# Altium PCB miniBackplane.PcbDoc (part 15 of 24) (continued)
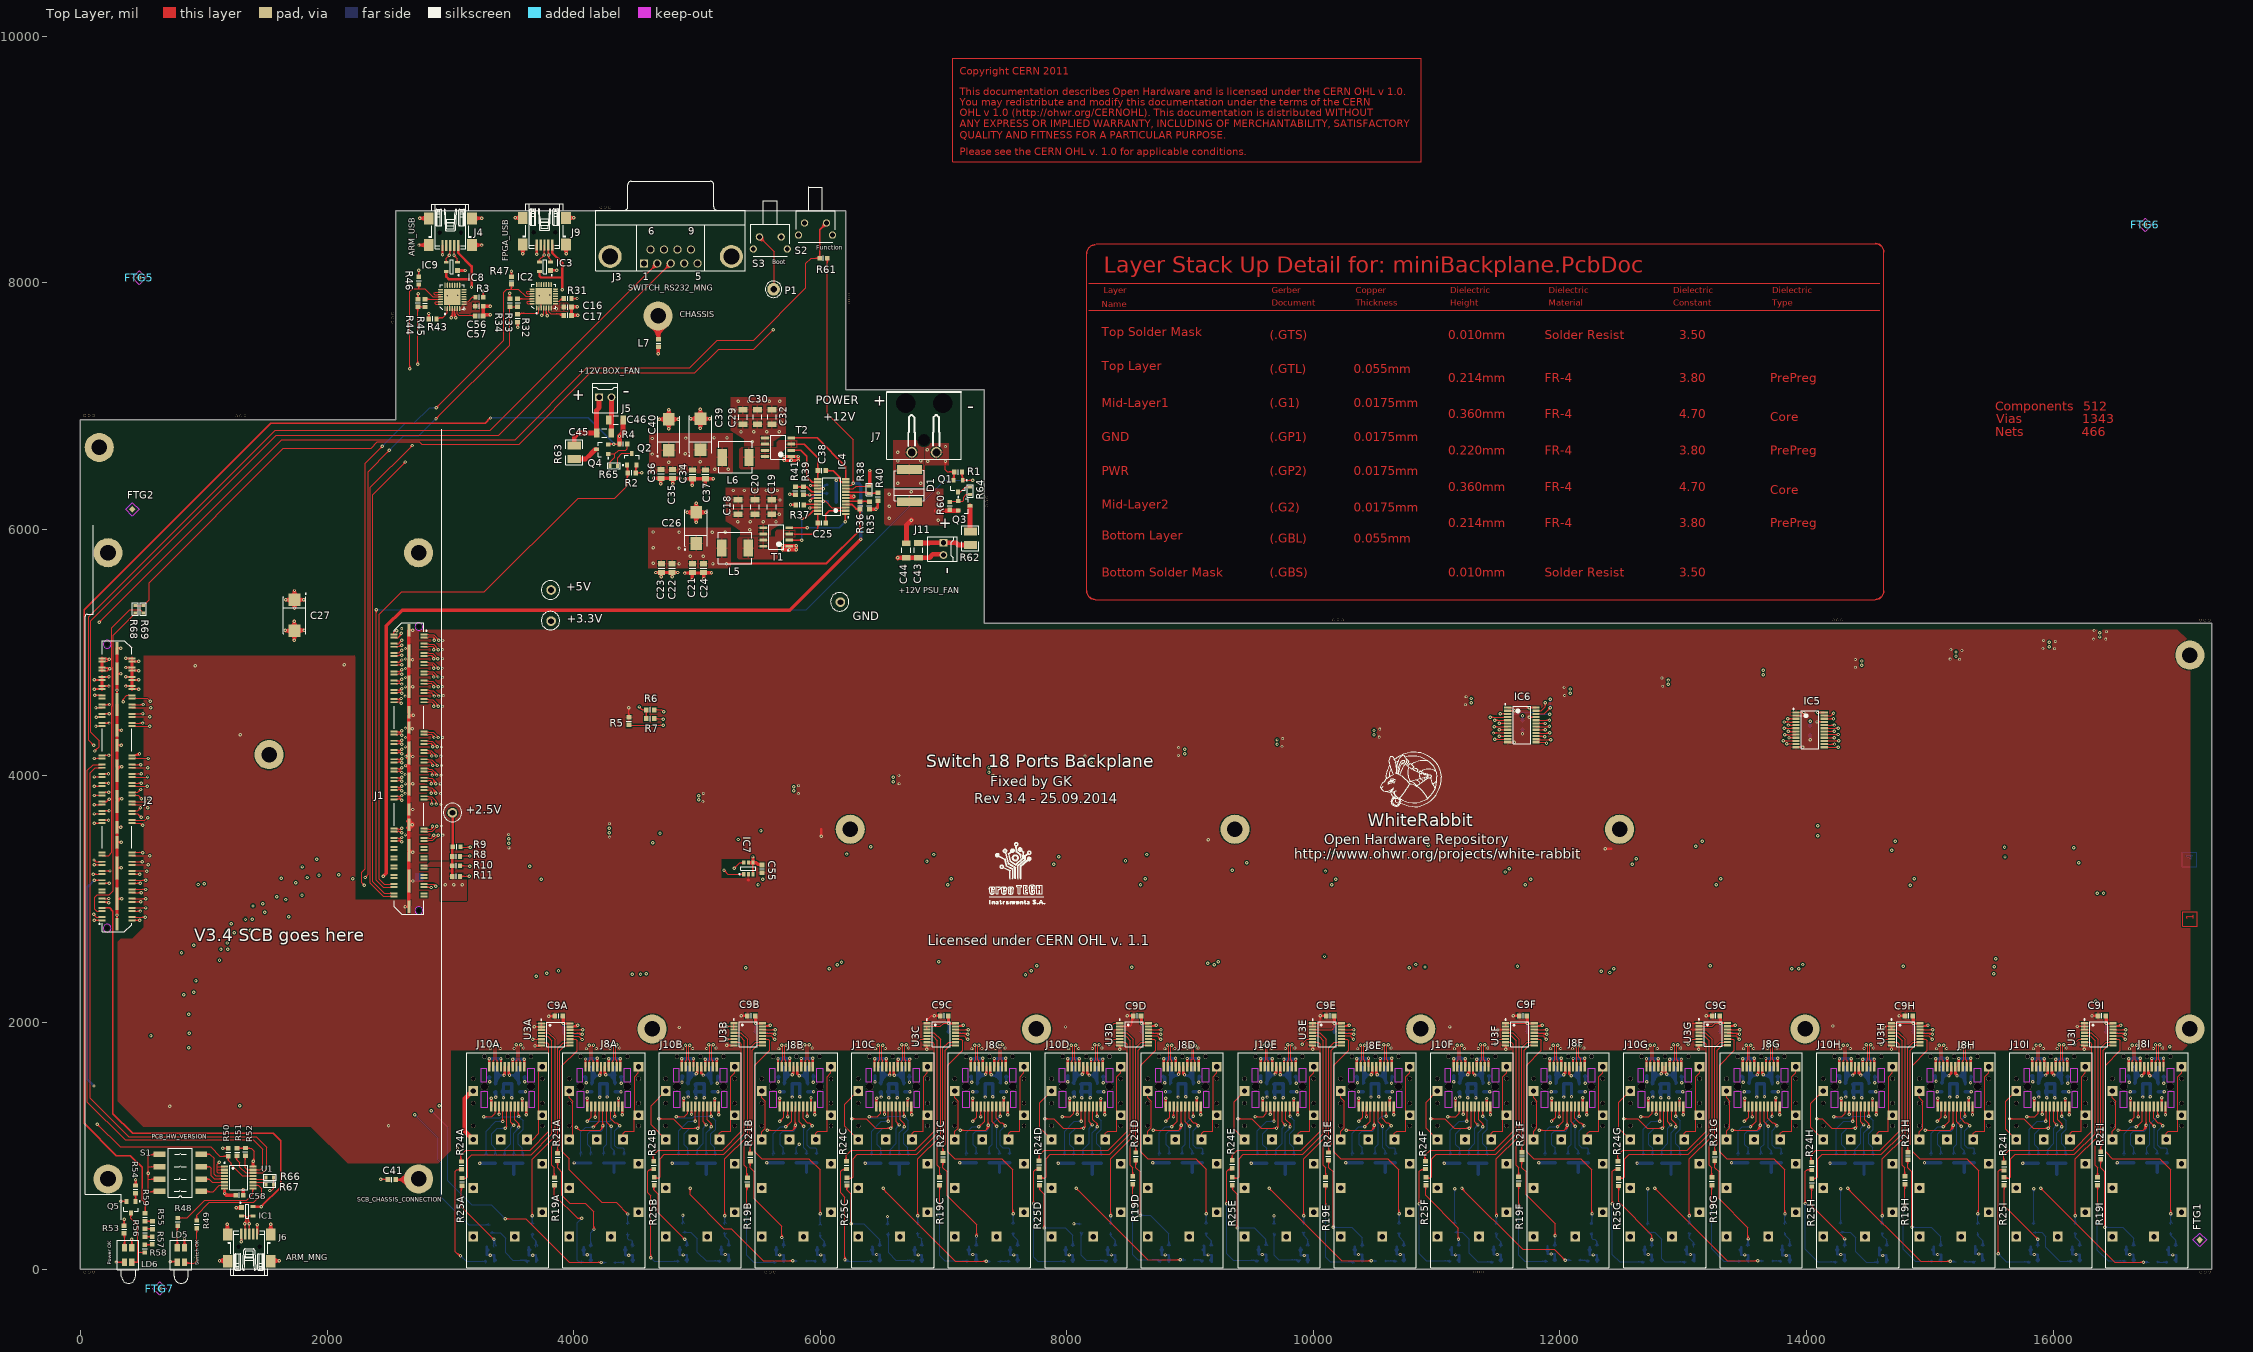
[diagram p0: Top Layer view]
## Nets (pads, with @x,y where several pads share a name; then routed paths per layer and width w, separated by ;. In a path a pad name is that pad's centre, name@x,y a point inside that pad or via, vN(x,y) a via of type N, cw(c..) or ccw(c..) an arc to the next point about the centre after c; other vN are vias at no path point) (continued)
MGTRX115_1_P: J1.53 J10C.13 | length 7305.5
  Top Layer w9.84: J1.53@2786.05,3984.99 2820.71,3984.99 2825.33,3980.37 2852,3980.37 2880.91,3951.46 ; 2867.91,3951.47 ccw(c2893.83,3958.41) v1@2880.41,3935.17 ; v1@2874.92,3942.56 ccw(c2868.61,3949.45) 2877.64,3951.87 ccw(c2888.84,3954.87) v1@2884.34,3944.19 ; v1(2880.91,3936.02) 2880.91,3951.46 ; v1(6661.42,1820.56) 6671.26,1810.72 ; J10C.13@6663.39,1669.3 6663.39,1690.56 6671.26,1698.43 6671.26,1810.72 ; 2880.91,3951.46 ccw(c2889.92,3951.46) 2885.37,3943.67 cw(c2889.92,3951.46) 2880.91,3951.46 ; 2880.91,3951.46 cw(c2871.89,3951.46) 2876.44,3943.67 ccw(c2871.89,3951.46) 2880.91,3951.46 ; 6671.26,1810.72 ccw(c6666.66,1806.12) 6664.44,1812.23 cw(c6666.66,1806.12) 6671.26,1810.72 ; 6671.26,1810.72 cw(c6675.86,1815.32) 6669.74,1817.54 ccw(c6675.86,1815.32) 6671.26,1810.72 ; 2854.87,3977.49 cw(c2813.4,3936.02) 2872.05,3936.02 ccw(c2813.4,3936.02) 2854.87,3977.49 ; 2871.67,3960.69 cw(c2847.01,3936.02) 2881.89,3936.02 ccw(c2847.01,3936.02) 2871.67,3960.69 ; J10C.13@6657.41,1674.23 ccw(c6642.97,1688.66) 6663.39,1688.66 cw(c6642.97,1688.66) J10C.13@6657.41,1674.23
  Mid-Layer 1 w7.09: v1(2880.91,3936.02) 2871.06,3945.87 2871.06,3957.07 ; 6564.31,3958.68 ccw(c6573.24,3974.04) v1@6585.47,3961.16 ; 6572.49,3953.93 ccw(c6580.02,3966.9) v1@6590.35,3956.02 ; 6573.34,3961.3 ccw(c6579.37,3971.74) v1@6586.48,3962.01 ; 6575.96,3959.79 cw(c6568.8,3947.38) v1@6582.63,3951.09 ; v1(6592.52,3953.74) 6582.68,3963.58 2877.57,3963.58 2871.06,3957.07 ; 2871.06,3957.07 ccw(c2881.9,3957.07) 2881.39,3946.25 cw(c2881.9,3957.07) 2871.06,3957.07 ; 2871.06,3949.64 ccw(c2881.55,3949.64) 2881.05,3939.17 cw(c2881.55,3949.64) 2871.06,3949.64 ; 6544.05,3963.58 cw(c6544.05,3905.27) 6585.28,3946.5 ccw(c6544.05,3905.27) 6544.05,3963.58 ; 6561.15,3963.58 cw(c6561.15,3922.37) 6590.29,3951.51 ccw(c6561.15,3922.37) 6561.15,3963.58 ; 6578.26,3963.58 cw(c6578.26,3939.48) 6595.3,3956.52 ccw(c6578.26,3939.48) 6578.26,3963.58
  Mid-Layer 2 w7.09: v1(6592.52,3953.74) 6599.41,3960.63 6660.43,3960.63 6671.26,3949.8 6671.26,1830.4 v1(6661.42,1820.56) ; v1@6595.1,3955.54 ccw(c6604.21,3961.88) 6609.76,3952.27 ; v1@6600.63,3959.99 ccw(c6604.64,3963.08) 6607.18,3958.69 ccw(c6611.86,3950.59) v1@6602.62,3952.09 ; v1@6600.92,3959.59 ccw(c6610.56,3966.31) 6616.44,3956.13 ; v1@6658.77,1830.45 ccw(c6655.06,1844.28) 6667.47,1837.12 ; 6661.61,1840.59 ccw(c6674.57,1833.05) v1@6663.7,1822.73 ; 6666.36,1848.77 ccw(c6681.72,1839.84) v1@6668.84,1827.61 ; 6668.98,1839.74 ccw(c6679.42,1833.71) v1@6669.68,1826.6 ; v1@6594.75,3951.51 cw(c6616.76,3929.5) 6616.76,3960.63 ccw(c6616.76,3929.5) v1@6594.75,3951.51 ; v1@6599.76,3946.5 cw(c6633.87,3912.39) 6633.87,3960.63 ccw(c6633.87,3912.39) v1@6599.76,3946.5 ; v1@6654.18,1827.8 ccw(c6612.94,1869.03) 6671.26,1869.03 cw(c6612.94,1869.03) v1@6654.18,1827.8 ; v1@6659.19,1822.79 ccw(c6630.05,1851.92) 6671.26,1851.92 cw(c6630.05,1851.92) v1@6659.19,1822.79 ; v1@6664.2,1817.78 ccw(c6647.16,1834.82) 6671.26,1834.82 cw(c6647.16,1834.82) v1@6664.2,1817.78
MGTRX115_2_N: J1.59 J8B.12 | length 6208.5
  Top Layer w9.84: J1.59@2786.05,3884.99 2822,3884.99 2826.63,3889.62 2842.52,3889.62 2845.47,3886.67 v1(2845.47,3858.27) ; J8B.12@5909.88,1669.29 5909.88,1690.55 5902.01,1698.43 5902.01,1810.71 ; v1(5911.85,1820.55) 5902.01,1810.71 ; 2845.47,3879.65 ccw(c2866.86,3879.65) 2851.74,3864.53 cw(c2866.86,3879.65) 2845.47,3879.65 ; 2845.47,3879.65 cw(c2824.09,3879.65) 2839.21,3864.53 ccw(c2824.09,3879.65) 2845.47,3879.65 ; 5902.01,1810.71 ccw(c5897.41,1815.31) 5903.52,1817.53 cw(c5897.41,1815.31) 5902.01,1810.71 ; 5902.01,1810.71 cw(c5906.61,1806.11) 5908.83,1812.22 ccw(c5906.61,1806.11) 5902.01,1810.71 ; 5909.88,1682.63 ccw(c5921.76,1682.63) 5913.36,1674.23 cw(c5921.76,1682.63) 5909.88,1682.63 ; 5909.88,1682.63 cw(c5898,1682.63) 5906.4,1674.23 ccw(c5898,1682.63) 5909.88,1682.63
  Mid-Layer 1 w7.09: v1(2845.47,3858.27) 2855.32,3868.11 2855.32,3885.84 ; 5758.21,3908.44 cw(c5767.13,3893.08) v1@5779.37,3905.96 ; 5766.39,3913.2 cw(c5773.92,3900.23) v1@5784.25,3911.1 ; 5767.24,3905.83 cw(c5773.27,3895.38) v1@5780.38,3905.12 ; 5769.86,3907.34 ccw(c5762.69,3919.74) v1@5776.53,3916.04 ; v1(5786.42,3913.39) 5776.57,3903.54 2873.02,3903.54 2855.32,3885.84 ; 2855.32,3885.84 cw(c2836.58,3885.84) 2842.33,3868.01 ccw(c2836.58,3885.84) 2855.32,3885.84 ; v1@2844.51,3861.27 ccw(c2839.72,3876.11) 2855.32,3876.11 cw(c2839.72,3876.11) v1@2844.51,3861.27 ; 5737.94,3903.54 ccw(c5737.94,3961.86) 5779.18,3920.62 cw(c5737.94,3961.86) 5737.94,3903.54 ; 5755.05,3903.54 ccw(c5755.05,3944.75) 5784.19,3915.61 cw(c5755.05,3944.75) 5755.05,3903.54 ; 5772.16,3903.54 ccw(c5772.16,3927.64) 5789.2,3910.6 cw(c5772.16,3927.64) 5772.16,3903.54
  Mid-Layer 2 w7.09: v1(5786.42,3913.39) 5796.26,3903.54 5797.02,3903.54 5800.95,3899.61 ; v1@5903.58,1826.59 ccw(c5893.85,1833.7) 5904.29,1839.73 ; v1@5904.43,1827.6 ccw(c5891.55,1839.84) 5906.91,1848.76 ; 5905.8,1837.11 ccw(c5918.21,1844.28) v1@5914.5,1830.44 ; v1@5909.57,1822.72 ccw(c5898.69,1833.05) 5911.66,1840.58 ; v1(5911.85,1820.55) 5902.01,1830.39 5902.01,3869.28 5871.68,3899.61 5800.95,3899.61 ; 5800.95,3899.61 ccw(c5791.23,3889.88) 5788.47,3903.36 cw(c5791.23,3889.88) 5800.95,3899.61 ; 5800.95,3899.61 cw(c5811.76,3910.41) 5796.58,3912.19 ccw(c5811.76,3910.41) 5800.95,3899.61 ; 5902.01,1834.81 ccw(c5926.11,1834.81) 5909.07,1817.77 cw(c5926.11,1834.81) 5902.01,1834.81 ; 5902.01,1851.92 ccw(c5943.22,1851.92) 5914.08,1822.78 cw(c5943.22,1851.92) 5902.01,1851.92 ; 5902.01,1869.03 ccw(c5960.32,1869.03) 5919.09,1827.79 cw(c5960.32,1869.03) 5902.01,1869.03
MGTRX115_2_P: J1.57 J8B.13 | length 6413.2
  Top Layer w9.84: J1.57@2786.05,3909.99 2822.53,3909.99 2827.15,3905.37 2849.04,3905.37 2880.91,3873.5 ; 2867.91,3873.71 ccw(c2893.83,3880.66) v1@2880.41,3857.42 ; v1@2875.01,3864.88 ccw(c2869.07,3871.56) 2877.71,3873.88 ccw(c2888.42,3876.75) v1@2884.24,3866.47 ; v1(2880.91,3858.27) 2880.91,3873.5 ; v1(5876.42,1820.55) 5886.26,1810.71 ; J8B.13@5878.39,1669.29 5878.39,1690.55 5886.26,1698.43 5886.26,1810.71 ; 2880.91,3873.5 ccw(c2889.58,3873.5) 2885.29,3865.97 cw(c2889.58,3873.5) 2880.91,3873.5 ; 2880.91,3873.5 cw(c2872.23,3873.5) 2876.52,3865.97 ccw(c2872.23,3873.5) 2880.91,3873.5 ; 5878.39,1682.63 ccw(c5890.27,1682.63) 5881.87,1674.23 cw(c5890.27,1682.63) 5878.39,1682.63 ; 5878.39,1682.63 cw(c5866.5,1682.63) 5874.91,1674.23 ccw(c5866.5,1682.63) 5878.39,1682.63 ; 5886.26,1810.71 ccw(c5881.66,1806.11) 5879.44,1812.22 cw(c5881.66,1806.11) 5886.26,1810.71 ; 5886.26,1810.71 cw(c5890.86,1815.31) 5884.74,1817.53 ccw(c5890.86,1815.31) 5886.26,1810.71 ; 2855.01,3899.4 cw(c2813.88,3858.27) 2872.05,3858.27 ccw(c2813.88,3858.27) 2855.01,3899.4 ; 2871.81,3882.6 cw(c2847.48,3858.27) 2881.89,3858.27 ccw(c2847.48,3858.27) 2871.81,3882.6
  Mid-Layer 1 w7.09: v1(2880.91,3858.27) 2871.06,3868.11 2871.06,3879.32 ; 5758.21,3882.89 ccw(c5767.13,3898.26) v1@5779.37,3885.37 ; 5766.39,3878.14 ccw(c5773.92,3891.11) v1@5784.25,3880.24 ; 5767.24,3885.51 ccw(c5773.27,3895.95) v1@5780.38,3886.22 ; 5769.86,3884 cw(c5762.69,3871.6) v1@5776.53,3875.3 ; v1(5786.42,3877.95) 5776.57,3887.8 2879.54,3887.8 2871.06,3879.32 ; 2871.06,3879.32 ccw(c2881.9,3879.32) 2881.39,3868.49 cw(c2881.9,3879.32) 2871.06,3879.32 ; 2871.06,3871.89 ccw(c2881.55,3871.89) 2881.05,3861.41 cw(c2881.55,3871.89) 2871.06,3871.89 ; 5737.94,3887.8 cw(c5737.94,3829.48) 5779.18,3870.71 ccw(c5737.94,3829.48) 5737.94,3887.8 ; 5755.05,3887.8 cw(c5755.05,3846.59) 5784.19,3875.73 ccw(c5755.05,3846.59) 5755.05,3887.8 ; 5772.16,3887.8 cw(c5772.16,3863.7) 5789.2,3880.74 ccw(c5772.16,3863.7) 5772.16,3887.8
  Mid-Layer 2 w7.09: v1(5786.42,3877.95) 5793.31,3884.84 5793.45,3884.84 5794.43,3883.86 5865.16,3883.86 5886.26,3862.76 5886.26,1830.39 v1(5876.42,1820.55) ; v1@5789.14,3879.53 ccw(c5797.72,3884.51) 5802.68,3875.92 ; v1@5795.27,3883.09 ccw(c5803.86,3888.08) 5808.83,3879.47 ; v1@5873.77,1830.44 ccw(c5870.06,1844.28) 5882.47,1837.11 ; 5876.61,1840.58 ccw(c5889.57,1833.05) v1@5878.7,1822.72 ; 5881.36,1848.76 ccw(c5896.72,1839.84) v1@5883.84,1827.6 ; 5883.98,1839.73 ccw(c5894.42,1833.7) v1@5884.68,1826.59 ; v1@5788.64,3875.73 cw(c5808.28,3856.09) 5808.28,3883.86 ccw(c5808.28,3856.09) v1@5788.64,3875.73 ; v1@5793.66,3870.71 cw(c5825.39,3838.98) 5825.39,3883.86 ccw(c5825.39,3838.98) v1@5793.66,3870.71 ; v1@5869.18,1827.79 ccw(c5827.94,1869.03) 5886.26,1869.03 cw(c5827.94,1869.03) v1@5869.18,1827.79 ; v1@5874.19,1822.78 ccw(c5845.05,1851.92) 5886.26,1851.92 cw(c5845.05,1851.92) v1@5874.19,1822.78 ; v1@5879.2,1817.77 ccw(c5862.16,1834.81) 5886.26,1834.81 cw(c5862.16,1834.81) v1@5879.2,1817.77
MGTRX115_3_N: J1.63 J10B.12 | length 5543.9
  Top Layer w9.84: J1.63@2786.05,3809.99 2820.71,3809.99 2825.33,3814.62 2842.52,3814.62 2850.39,3806.74 v1(2850.39,3771.65) ; J10B.12@5129.88,1673.23 5129.88,1690.55 5122.01,1698.43 5122.01,1810.71 ; v1(5131.85,1820.55) 5122.01,1810.71 ; 2850.39,3793.04 ccw(c2871.78,3793.04) 2856.66,3777.92 cw(c2871.78,3793.04) 2850.39,3793.04 ; 2850.39,3793.04 cw(c2829.01,3793.04) 2844.13,3777.92 ccw(c2829.01,3793.04) 2850.39,3793.04 ; 5122.01,1810.71 ccw(c5117.41,1815.31) 5123.52,1817.53 cw(c5117.41,1815.31) 5122.01,1810.71 ; 5122.01,1810.71 cw(c5126.61,1806.11) 5128.83,1812.22 ccw(c5126.61,1806.11) 5122.01,1810.71 ; 5129.88,1682.63 ccw(c5141.76,1682.63) 5133.36,1674.23 cw(c5141.76,1682.63) 5129.88,1682.63 ; 5129.88,1682.63 cw(c5118,1682.63) 5126.4,1674.23 ccw(c5118,1682.63) 5129.88,1682.63
  Mid-Layer 1 w7.09: v1(2850.39,3771.65) 2860.24,3781.5 2860.24,3807.7 ; 4986.56,3835.61 cw(c4995.48,3820.25) v1@5007.71,3833.13 ; 4994.74,3840.36 cw(c5002.27,3827.39) v1@5012.59,3838.27 ; 4995.59,3832.99 cw(c5001.61,3822.55) v1@5008.73,3832.29 ; 4998.2,3834.5 ccw(c4991.04,3846.91) v1@5004.88,3843.2 ; v1(5014.76,3840.55) 5014.76,3839.57 5005.91,3830.71 2883.24,3830.71 2860.24,3807.7 ; 2860.24,3807.7 cw(c2828.07,3807.7) 2845,3780.36 ccw(c2828.07,3807.7) 2860.24,3807.7 ; v1@2848.74,3774.33 ccw(c2835.95,3794.98) 2860.24,3794.98 cw(c2835.95,3794.98) v1@2848.74,3774.33 ; v1@2852.47,3768.31 ccw(c2843.83,3782.26) 2860.24,3782.26 cw(c2843.83,3782.26) v1@2852.47,3768.31 ; 4966.29,3830.71 ccw(c4966.29,3889.03) 5007.53,3847.79 cw(c4966.29,3889.03) 4966.29,3830.71 ; 4983.4,3830.71 ccw(c4983.4,3871.92) 5012.54,3842.78 cw(c4983.4,3871.92) 4983.4,3830.71 ; 5000.51,3830.71 ccw(c5000.51,3854.81) 5017.55,3837.77 cw(c5000.51,3854.81) 5000.51,3830.71
  Mid-Layer 2 w7.09: v1@5011.81,3833.66 5069.34,3833.66 5122.01,3780.99 5122.01,1831.71 5122.4,1831.31 5122.4,1830 v1(5131.85,1820.55) ; v1@5017.35,3838.75 cw(c5026.45,3832.41) 5032,3842.02 ; v1@5022.87,3834.3 cw(c5026.89,3831.21) 5029.42,3835.6 cw(c5034.1,3843.7) v1@5024.87,3842.2 ; v1@5023.16,3834.7 cw(c5032.81,3827.98) 5038.68,3838.16 ; v1@5123.58,1826.59 ccw(c5113.85,1833.7) 5124.29,1839.73 ; v1@5124.43,1827.6 ccw(c5111.55,1839.84) 5126.91,1848.76 ; 5125.8,1837.11 ccw(c5138.21,1844.28) v1@5134.5,1830.44 ; v1@5129.57,1822.72 ccw(c5118.69,1833.05) 5131.66,1840.58 ; v1@5016.99,3842.78 ccw(c5039,3864.79) 5039,3833.66 cw(c5039,3864.79) v1@5016.99,3842.78 ; v1@5022,3847.79 ccw(c5056.11,3881.9) 5056.11,3833.66 cw(c5056.11,3881.9) v1@5022,3847.79 ; 5122.01,1834.81 ccw(c5146.11,1834.81) 5129.07,1817.77 cw(c5146.11,1834.81) 5122.01,1834.81 ; 5122.01,1851.92 ccw(c5163.22,1851.92) 5134.08,1822.78 cw(c5163.22,1851.92) 5122.01,1851.92 ; 5122.01,1869.03 ccw(c5180.32,1869.03) 5139.09,1827.79 cw(c5180.32,1869.03) 5122.01,1869.03
MGTRX115_3_P: J1.61 J10B.13 | length 5348.7
  Top Layer w9.84: J1.61@2786.05,3834.99 2820.71,3834.99 2825.33,3830.37 2849.04,3830.37 2885.83,3793.58 v1(2885.83,3771.65) ; v1(5096.42,1820.55) 5106.26,1810.71 ; J10B.13@5098.39,1673.23 5098.39,1690.55 5106.26,1698.43 5106.26,1810.71 ; 2885.83,3793.04 ccw(c2907.21,3793.04) 2892.09,3777.92 cw(c2907.21,3793.04) 2885.83,3793.04 ; 2885.83,3793.04 cw(c2864.44,3793.04) 2879.56,3777.92 ccw(c2864.44,3793.04) 2885.83,3793.04 ; 5098.39,1682.63 ccw(c5110.27,1682.63) 5101.87,1674.23 cw(c5110.27,1682.63) 5098.39,1682.63 ; 5098.39,1682.63 cw(c5086.5,1682.63) 5094.91,1674.23 ccw(c5086.5,1682.63) 5098.39,1682.63 ; 5106.26,1810.71 ccw(c5101.66,1806.11) 5099.44,1812.22 cw(c5101.66,1806.11) 5106.26,1810.71 ; 5106.26,1810.71 cw(c5110.86,1815.31) 5104.74,1817.53 ccw(c5110.86,1815.31) 5106.26,1810.71
  Mid-Layer 1 w7.09: v1(2885.83,3771.65) 2875.98,3781.5 2875.98,3801.18 ; 4986.56,3810.06 ccw(c4995.48,3825.42) v1@5007.71,3812.54 ; 4994.74,3805.31 ccw(c5002.27,3818.27) v1@5012.59,3807.4 ; 4995.59,3812.68 ccw(c5001.61,3823.12) v1@5008.73,3813.38 ; 4998.2,3811.17 cw(c4991.04,3798.76) v1@5004.88,3802.47 ; v1(5014.76,3805.12) 5014.76,3806.1 5005.91,3814.96 2889.76,3814.96 2875.98,3801.18 ; 2875.98,3801.18 ccw(c2897.5,3801.18) 2889.59,3781.17 cw(c2897.5,3801.18) 2875.98,3801.18 ; 2875.98,3790.76 ccw(c2893.38,3790.76) 2886.98,3774.58 cw(c2893.38,3790.76) 2875.98,3790.76 ; 4966.29,3814.96 cw(c4966.29,3756.64) 5007.53,3797.88 ccw(c4966.29,3756.64) 4966.29,3814.96 ; 4983.4,3814.96 cw(c4983.4,3773.75) 5012.54,3802.89 ccw(c4983.4,3773.75) 4983.4,3814.96 ; 5000.51,3814.96 cw(c5000.51,3790.86) 5017.55,3807.9 ccw(c5000.51,3790.86) 5000.51,3814.96
  Mid-Layer 2 w7.09: v1(5014.76,3805.12) 5024.21,3814.57 5025.53,3814.57 5028.87,3817.91 ; v1@5093.77,1830.44 ccw(c5090.06,1844.28) 5102.47,1837.11 ; v1(5096.42,1820.55) 5106.26,1830.39 5106.26,3774.47 5062.82,3817.91 5028.87,3817.91 ; 5096.61,1840.58 ccw(c5109.57,1833.05) v1@5098.7,1822.72 ; 5101.36,1848.76 ccw(c5116.72,1839.84) v1@5103.84,1827.6 ; 5103.98,1839.73 ccw(c5114.42,1833.7) v1@5104.68,1826.59 ; 5028.87,3817.91 ccw(c5038.67,3808.11) 5024.92,3806.39 cw(c5038.67,3808.11) 5028.87,3817.91 ; 5028.87,3817.91 cw(c5020.7,3826.08) 5017.55,3814.97 ccw(c5020.7,3826.08) 5028.87,3817.91 ; v1@5089.18,1827.79 ccw(c5047.94,1869.03) 5106.26,1869.03 cw(c5047.94,1869.03) v1@5089.18,1827.79 ; v1@5094.19,1822.78 ccw(c5065.05,1851.92) 5106.26,1851.92 cw(c5065.05,1851.92) v1@5094.19,1822.78 ; v1@5099.2,1817.77 ccw(c5082.16,1834.81) 5106.26,1834.81 cw(c5082.16,1834.81) v1@5099.2,1817.77
MGTRX116_0_N: J1.67 J8A.12 | length 4432.3
  Top Layer w9.84: J1.67@2786.05,3547.49 2820.71,3547.49 2825.33,3552.12 2853.96,3552.12 2890.75,3588.9 v1(2890.75,3592.52) ; 2878.8,3581 cw(c2896.31,3576.31) v1@2890.43,3593.45 ; J8A.12@4348.43,1667.64 4348.43,1688.9 4340.55,1696.77 4340.55,1809.06 ; v1(4350.39,1818.9) 4340.55,1809.06 ; 4340.55,1809.06 ccw(c4335.95,1813.66) 4342.07,1815.88 cw(c4335.95,1813.66) 4340.55,1809.06 ; 4340.55,1809.06 cw(c4345.15,1804.45) 4347.37,1810.57 ccw(c4345.15,1804.45) 4340.55,1809.06 ; 4348.43,1682.63 ccw(c4360.31,1682.63) 4351.9,1674.23 cw(c4360.31,1682.63) 4348.43,1682.63 ; 4348.43,1682.63 cw(c4336.54,1682.63) 4344.95,1674.23 ccw(c4336.54,1682.63) 4348.43,1682.63 ; 2873.07,3571.22 ccw(c2851.77,3592.52) 2881.89,3592.52 cw(c2851.77,3592.52) 2873.07,3571.22 ; 2881.8,3579.96 cw(c2890.75,3571.01) 2890.75,3583.66 ccw(c2890.75,3571.01) 2881.8,3579.96
  Mid-Layer 1 w7.09: v1(2890.75,3592.52) 2890.75,3593.28 2880.91,3593.28 2880.91,3570.87 2886.02,3565.75 4280.51,3565.75 v1(4290.35,3575.59) ; 4262.15,3570.65 cw(c4271.07,3555.29) v1@4283.31,3568.17 ; 4270.33,3575.4 cw(c4277.86,3562.43) v1@4288.19,3573.31 ; 4271.18,3568.03 cw(c4277.2,3557.59) v1@4284.32,3567.33 ; 4273.79,3569.54 ccw(c4266.63,3581.95) v1@4280.47,3578.24 ; 2880.91,3568.73 cw(c2894.8,3568.73) 2892.47,3582.43 ccw(c2894.8,3568.73) 2880.91,3568.73 ; 2880.91,3577.13 cw(c2893.37,3577.13) 2891.28,3589.41 ccw(c2893.37,3577.13) 2880.91,3577.13 ; 4241.88,3565.75 ccw(c4241.88,3624.07) 4283.12,3582.83 cw(c4241.88,3624.07) 4241.88,3565.75 ; 4258.99,3565.75 ccw(c4258.99,3606.96) 4288.13,3577.82 cw(c4258.99,3606.96) 4258.99,3565.75 ; 4276.1,3565.75 ccw(c4276.1,3589.85) 4293.14,3572.81 cw(c4276.1,3589.85) 4276.1,3565.75
  Mid-Layer 2 w7.09: v1(4290.35,3575.59) 4289.6,3575.59 4289.6,3565.75 4326.4,3565.75 ; 4340.55,1828.74 v1(4350.39,1818.9) ; 4340.54,1830.39 4340.54,3551.62 4326.4,3565.75 ; v1@4342.12,1824.93 ccw(c4332.34,1832.05) 4342.82,1838.1 ; v1@4342.97,1825.94 ccw(c4330.08,1838.18) 4345.44,1847.11 ; 4344.34,1835.46 ccw(c4356.75,1842.62) v1@4353.04,1828.79 ; v1@4348.11,1821.07 ccw(c4337.23,1831.39) 4350.2,1838.93 ; 4326.4,3565.75 cw(c4326.4,3597.91) 4299.06,3580.98 ccw(c4326.4,3597.91) 4326.4,3565.75 ; v1@4287.01,3573.52 ccw(c4300.96,3582.16) 4300.96,3565.75 cw(c4300.96,3582.16) v1@4287.01,3573.52 ; v1@4293.03,3577.25 ccw(c4313.68,3590.03) 4313.68,3565.75 cw(c4313.68,3590.03) v1@4293.03,3577.25 ; 4340.54,1833.19 ccw(c4364.69,1833.19) 4347.61,1816.11 cw(c4364.69,1833.19) 4340.54,1833.19 ; 4340.54,1850.3 ccw(c4381.8,1850.3) 4352.62,1821.12 cw(c4381.8,1850.3) 4340.54,1850.3 ; 4340.54,1867.41 ccw(c4398.91,1867.41) 4357.63,1826.14 cw(c4398.91,1867.41) 4340.54,1867.41
MGTRX116_0_P: J1.65 J8A.13 | length 4399.3
  Top Layer w9.84: J1.65@2786.05,3572.49 2820.71,3572.49 2825.33,3567.87 2847.44,3567.87 ; v1(2855.32,3592.52) 2855.32,3575.74 ; v1(4314.96,1818.9) 4324.8,1809.06 ; J8A.13@4316.93,1667.64 4316.93,1688.9 4324.8,1696.77 4324.8,1809.06 ; 2847.44,3567.87 ccw(c2837.35,3577.95) 2848.43,3586.94 cw(c2837.35,3577.95) 2847.44,3567.87 ; 2847.44,3567.87 2855.32,3575.74 ; 2855.32,3575.74 ccw(c2843.85,3575.74) 2850.32,3585.21 cw(c2843.85,3575.74) 2855.32,3575.74 ; 2855.32,3575.74 cw(c2866.78,3575.74) 2860.31,3585.21 ccw(c2866.78,3575.74) 2855.32,3575.74 ; 4316.93,1682.63 ccw(c4328.81,1682.63) 4320.41,1674.23 cw(c4328.81,1682.63) 4316.93,1682.63 ; 4316.93,1682.63 cw(c4305.05,1682.63) 4313.45,1674.23 ccw(c4305.05,1682.63) 4316.93,1682.63 ; 4324.8,1809.06 ccw(c4320.2,1804.45) 4317.98,1810.57 cw(c4320.2,1804.45) 4324.8,1809.06 ; 4324.8,1809.06 cw(c4329.4,1813.66) 4323.29,1815.88 ccw(c4329.4,1813.66) 4324.8,1809.06 ; 2855.17,3575.59 ccw(c2845.88,3584.87) 2856.08,3593.14 cw(c2845.88,3584.87) 2855.17,3575.59
  Mid-Layer 1 w7.09: v1(2855.32,3592.52) 2865.16,3592.52 2865.16,3564.34 2879.5,3550 4280.51,3550 v1(4290.35,3540.16) ; 4262.15,3545.1 ccw(c4271.07,3560.46) v1@4283.31,3547.58 ; 4270.33,3540.35 ccw(c4277.86,3553.31) v1@4288.19,3542.44 ; 4271.18,3547.72 ccw(c4277.2,3558.16) v1@4284.32,3548.42 ; 4273.79,3546.21 cw(c4266.63,3533.8) v1@4280.47,3537.51 ; v1@2851.46,3583.04 cw(c2843.17,3562.67) 2865.16,3562.67 ccw(c2843.17,3562.67) v1@2851.46,3583.04 ; v1@2854.13,3589.6 cw(c2847.46,3573.21) 2865.16,3573.21 ccw(c2847.46,3573.21) v1@2854.13,3589.6 ; 4241.88,3550 cw(c4241.88,3491.68) 4283.12,3532.92 ccw(c4241.88,3491.68) 4241.88,3550 ; 4258.99,3550 cw(c4258.99,3508.79) 4288.13,3537.93 ccw(c4258.99,3508.79) 4258.99,3550 ; 4276.1,3550 cw(c4276.1,3525.9) 4293.14,3542.94 ccw(c4276.1,3525.9) 4276.1,3550
  Mid-Layer 2 w7.09: v1(4290.35,3540.16) 4290.35,3550 4319.88,3550 ; v1@4312.31,1828.79 ccw(c4308.6,1842.62) 4321.01,1835.46 ; v1(4314.96,1818.9) 4324.8,1828.74 ; 4315.14,1838.92 ccw(c4328.11,1831.4) v1@4317.24,1821.07 ; 4319.89,1847.1 ccw(c4335.25,1838.19) v1@4322.38,1825.95 ; 4322.51,1838.05 ccw(c4332.91,1832.05) v1@4323.22,1824.95 ; 4324.79,1830.39 4324.79,3545.09 4319.88,3550 ; 4319.88,3550 ccw(c4319.88,3528.49) 4299.87,3536.39 cw(c4319.88,3528.49) 4319.88,3550 ; v1@4293.28,3539 cw(c4309.46,3532.61) 4309.46,3550 ccw(c4309.46,3532.61) v1@4293.28,3539 ; v1@4307.72,1826.14 ccw(c4266.52,1867.33) 4324.79,1867.33 cw(c4266.52,1867.33) v1@4307.72,1826.14 ; v1@4312.73,1821.12 ccw(c4283.63,1850.23) 4324.79,1850.23 cw(c4283.63,1850.23) v1@4312.73,1821.12 ; v1@4317.74,1816.11 ccw(c4300.74,1833.12) 4324.79,1833.12 cw(c4300.74,1833.12) v1@4317.74,1816.11
MGTRX116_1_N: J1.71 J10A.12 | length 3560
  Top Layer w9.84: J1.71@2786.05,3472.49 2820.71,3472.49 2825.33,3477.12 2858.78,3477.12 2899.61,3517.94 v1@2899.61,3518.7 ; 2891.94,3507.13 ccw(c2887.62,3523.24) v1@2903.65,3518.6 ; J10A.12@3568.43,1667.64 3568.43,1688.9 3560.55,1696.77 3560.55,1809.06 ; v1(3570.39,1818.9) 3560.55,1809.06 ; 3560.55,1809.06 ccw(c3555.95,1813.66) 3562.07,1815.88 cw(c3555.95,1813.66) 3560.55,1809.06 ; 3560.55,1809.06 cw(c3565.15,1804.45) 3567.37,1810.57 ccw(c3565.15,1804.45) 3560.55,1809.06 ; 3568.43,1682.63 ccw(c3580.31,1682.63) 3571.9,1674.23 cw(c3580.31,1682.63) 3568.43,1682.63 ; 3568.43,1682.63 cw(c3556.54,1682.63) 3564.95,1674.23 ccw(c3556.54,1682.63) 3568.43,1682.63 ; 2883.88,3502.22 cw(c2902.7,3483.4) 2902.7,3510.01 ccw(c2902.7,3483.4) 2883.88,3502.22 ; 2889.11,3507.45 ccw(c2877.68,3518.87) 2893.84,3518.87 cw(c2877.68,3518.87) 2889.11,3507.45
  Mid-Layer 1 w7.09: v1@2902.7,3520.87 v1(2902.7,3518.87) 2891.31,3507.48 2891.31,3485.24 2897.22,3479.33 3462.91,3479.33 v1(3472.75,3489.17) ; 3444.54,3484.23 cw(c3453.47,3468.87) v1@3465.7,3481.75 ; 3452.72,3488.98 cw(c3460.25,3476.02) v1@3470.58,3486.89 ; 3453.57,3481.61 cw(c3459.6,3471.17) v1@3466.71,3480.91 ; 3456.19,3483.12 ccw(c3449.03,3495.53) v1@3462.86,3491.82 ; 2891.31,3483.36 cw(c2921.04,3483.36) 2907.4,3509.78 ccw(c2921.04,3483.36) 2891.31,3483.36 ; 2891.31,3495 cw(c2915.03,3495) 2904.15,3516.07 ccw(c2915.03,3495) 2891.31,3495 ; 2891.31,3506.63 cw(c2909.02,3506.63) 2900.89,3522.37 ccw(c2909.02,3506.63) 2891.31,3506.63 ; 3424.28,3479.33 ccw(c3424.28,3537.65) 3465.51,3496.41 cw(c3424.28,3537.65) 3424.28,3479.33 ; 3441.38,3479.33 ccw(c3441.38,3520.54) 3470.52,3491.4 cw(c3441.38,3520.54) 3441.38,3479.33 ; 3458.49,3479.33 ccw(c3458.49,3503.43) 3475.53,3486.39 cw(c3458.49,3503.43) 3458.49,3479.33
  Mid-Layer 2 w7.09: v1(3472.75,3489.17) 3482.59,3479.33 3500.98,3479.33 3560.55,3419.76 3560.55,1828.74 v1(3570.39,1818.9) ; v1@3562.13,1824.94 ccw(c3552.39,1832.05) 3562.83,1838.08 ; v1@3562.97,1825.95 ccw(c3550.09,1838.18) 3565.45,1847.11 ; 3564.34,1835.46 ccw(c3576.75,1842.62) v1@3573.04,1828.79 ; v1@3568.11,1821.07 ccw(c3557.24,1831.39) 3570.2,1838.92 ; v1@3475.73,3490.21 ccw(c3491.02,3495.52) 3491.02,3479.33 cw(c3491.02,3495.52) v1@3475.73,3490.21 ; v1@3482.42,3492.53 ccw(c3500.98,3498.98) 3500.98,3479.33 cw(c3500.98,3498.98) v1@3482.42,3492.53 ; 3560.55,1833.15 ccw(c3584.65,1833.15) 3567.61,1816.11 cw(c3584.65,1833.15) 3560.55,1833.15 ; 3560.55,1850.26 ccw(c3601.76,1850.26) 3572.62,1821.12 cw(c3601.76,1850.26) 3560.55,1850.26 ; 3560.55,1867.37 ccw(c3618.87,1867.37) 3577.63,1826.14 cw(c3618.87,1867.37) 3560.55,1867.37
MGTRX116_1_P: J1.69 J10A.13 | length 3575.3
  Top Layer w9.84: J1.69@2786.05,3497.49 2820.71,3497.49 2825.33,3492.87 2847.44,3492.87 ; 2853.72,3501.44 cw(c2880.4,3498.57) v1@2863.56,3519.47 ; v1(2864.17,3518.7) 2864.17,3509.6 2847.44,3492.87 ; v1(3534.96,1818.9) 3544.8,1809.06 ; J10A.13@3536.93,1667.64 3536.93,1688.9 3544.8,1696.77 3544.8,1809.06 ; 2847.44,3492.87 ccw(c2827.36,3512.95) 2855.42,3517.33 cw(c2827.36,3512.95) 2847.44,3492.87 ; 3536.93,1682.63 ccw(c3548.81,1682.63) 3540.41,1674.23 cw(c3548.81,1682.63) 3536.93,1682.63 ; 3536.93,1682.63 cw(c3525.05,1682.63) 3533.45,1674.23 ccw(c3525.05,1682.63) 3536.93,1682.63 ; 3544.8,1809.06 ccw(c3540.2,1804.45) 3537.98,1810.57 cw(c3540.2,1804.45) 3544.8,1809.06 ; 3544.8,1809.06 cw(c3549.4,1813.66) 3543.29,1815.88 ccw(c3549.4,1813.66) 3544.8,1809.06
  Mid-Layer 1 w7.09: v1@2863.74,3508.47 cw(c2863.23,3496.62) 2872.32,3504.24 cw(c2877.25,3508.37) v1@2872.2,3512.35 ; v1@2864.17,3516.7 v1(2864.17,3518.7) ; 2865.7,3501.49 cw(c2874.19,3508.6) v1@2866.39,3516.46 ; 2870.65,3495.58 cw(c2879.63,3503.11) v1@2871.38,3511.43 ; v1@2873.44,3518.7 v1(2864.17,3518.7) ; 3444.54,3458.68 ccw(c3453.47,3474.04) v1@3465.7,3461.16 ; 3452.72,3453.93 ccw(c3460.25,3466.9) v1@3470.58,3456.02 ; 3453.57,3461.3 ccw(c3459.6,3471.74) v1@3466.71,3462.01 ; 3456.19,3459.79 cw(c3449.03,3447.38) v1@3462.86,3451.09 ; v1(3472.75,3453.74) 3462.91,3463.58 2890.69,3463.58 2875.56,3478.71 2875.56,3507.31 v1(2864.17,3518.7) ; v1@2858.3,3510.32 cw(c2835.02,3477.12) 2875.56,3477.12 ccw(c2835.02,3477.12) v1@2858.3,3510.32 ; v1@2862.37,3516.12 cw(c2844.57,3490.75) 2875.56,3490.75 ccw(c2844.57,3490.75) v1@2862.37,3516.12 ; v1@2866.43,3521.92 cw(c2854.13,3504.37) 2875.56,3504.37 ccw(c2854.13,3504.37) v1@2866.43,3521.92 ; 3424.28,3463.58 cw(c3424.28,3405.27) 3465.51,3446.5 ccw(c3424.28,3405.27) 3424.28,3463.58 ; 3441.38,3463.58 cw(c3441.38,3422.37) 3470.52,3451.51 ccw(c3441.38,3422.37) 3441.38,3463.58 ; 3458.49,3463.58 cw(c3458.49,3439.48) 3475.53,3456.52 ccw(c3458.49,3439.48) 3458.49,3463.58
  Mid-Layer 2 w7.09: v1(3472.75,3453.74) 3480.62,3461.61 3496.43,3461.61 ; v1@3532.31,1828.79 ccw(c3528.6,1842.62) 3541.01,1835.46 ; v1(3534.96,1818.9) 3544.8,1828.74 3544.8,3413.24 3496.43,3461.61 ; 3535.15,1838.92 ccw(c3548.12,1831.39) v1@3537.24,1821.07 ; 3539.9,1847.11 ccw(c3555.27,1838.18) v1@3542.38,1825.95 ; 3542.52,1838.08 ccw(c3552.96,1832.05) v1@3543.23,1824.94 ; 3496.43,3461.61 ccw(c3496.43,3447.31) 3482.63,3451.06 cw(c3496.43,3447.31) 3496.43,3461.61 ; v1@3475.79,3452.92 cw(c3487.16,3449.83) 3487.16,3461.61 ccw(c3487.16,3449.83) v1@3475.79,3452.92 ; v1@3527.72,1826.14 ccw(c3486.49,1867.37) 3544.8,1867.37 cw(c3486.49,1867.37) v1@3527.72,1826.14 ; v1@3532.73,1821.12 ccw(c3503.59,1850.26) 3544.8,1850.26 cw(c3503.59,1850.26) v1@3532.73,1821.12 ; v1@3537.74,1816.11 ccw(c3520.7,1833.15) 3544.8,1833.15 cw(c3520.7,1833.15) v1@3537.74,1816.11
MGTRX116_2_N: J1.75
MGTRX116_2_P: J1.73
MGTRX116_3_N: J1.79
MGTRX116_3_P: J1.77
MGTTX112_0_N: J1.2 J8I.19 | length 18047.1
  Top Layer w9.84: J1.2@2543.05,5147.49 2543.05,5165.1 ; v1(2566.93,5177.17) 2555.12,5177.17 2543.05,5165.1 ; v1(16642.01,1815.56) 16651.85,1805.72 ; J8I.19@16643.98,1673.24 16643.98,1690.56 16651.85,1698.43 16651.85,1805.72 ; 2543.05,5165.1 cw(c2556.14,5152.01) 2563.44,5169.02 ccw(c2556.14,5152.01) 2543.05,5165.1 ; 16643.98,1682.63 ccw(c16655.86,1682.63) 16647.46,1674.23 cw(c16655.86,1682.63) 16643.98,1682.63 ; 16643.98,1682.63 cw(c16632.1,1682.63) 16640.5,1674.23 ccw(c16632.1,1682.63) 16643.98,1682.63 ; 16651.85,1805.72 ccw(c16647.25,1801.12) 16645.03,1807.23 cw(c16647.25,1801.12) 16651.85,1805.72 ; 16651.85,1805.72 cw(c16656.45,1810.32) 16650.33,1812.54 ccw(c16656.45,1810.32) 16651.85,1805.72
  Mid-Layer 2 w7.09: v1(2566.93,5177.17) 2566.93,5149.61 2586.54,5130 16232.2,5130 16255.91,5106.3 16255.91,4775.59 16279.53,4751.97 16633.94,4751.97 16651.85,4734.06 16651.85,1825.4 v1(16642.01,1815.56) ; v1@16639.36,1825.45 ccw(c16635.65,1839.28) 16648.06,1832.12 ; 16642.2,1835.59 ccw(c16655.16,1828.05) v1@16644.29,1817.73 ; 16646.95,1843.77 ccw(c16662.31,1834.84) v1@16649.43,1822.61 ; 16649.57,1834.74 ccw(c16660.01,1828.71) v1@16650.27,1821.6 ; 2566.93,5152.45 ccw(c2542.22,5152.45) 2559.69,5169.93 cw(c2542.22,5152.45) 2566.93,5152.45 ; 2566.93,5152.45 cw(c2591.64,5152.45) 2574.17,5169.93 ccw(c2591.64,5152.45) 2566.93,5152.45 ; v1@16634.77,1822.8 ccw(c16593.53,1864.03) 16651.85,1864.03 cw(c16593.53,1864.03) v1@16634.77,1822.8 ; v1@16639.78,1817.79 ccw(c16610.64,1846.92) 16651.85,1846.92 cw(c16610.64,1846.92) v1@16639.78,1817.79 ; v1@16644.79,1812.78 ccw(c16627.75,1829.82) 16651.85,1829.82 cw(c16627.75,1829.82) v1@16644.79,1812.78